# Altium PCB VALVEBOARD_Kun.PcbDoc (part 10 of 13)
Units mil, origin at the board's own origin, x right, y up, seen from the top; angles counter-clockwise.
Board outline 10923.41 x 5583.88 mil, 2 copper layers (Top Layer, Bottom Layer), stack 10.8 mil thick; 1127 components, 626 nets, 3503 pads, 1418 vias.
Unrouted connection lines stored in the file: 1.
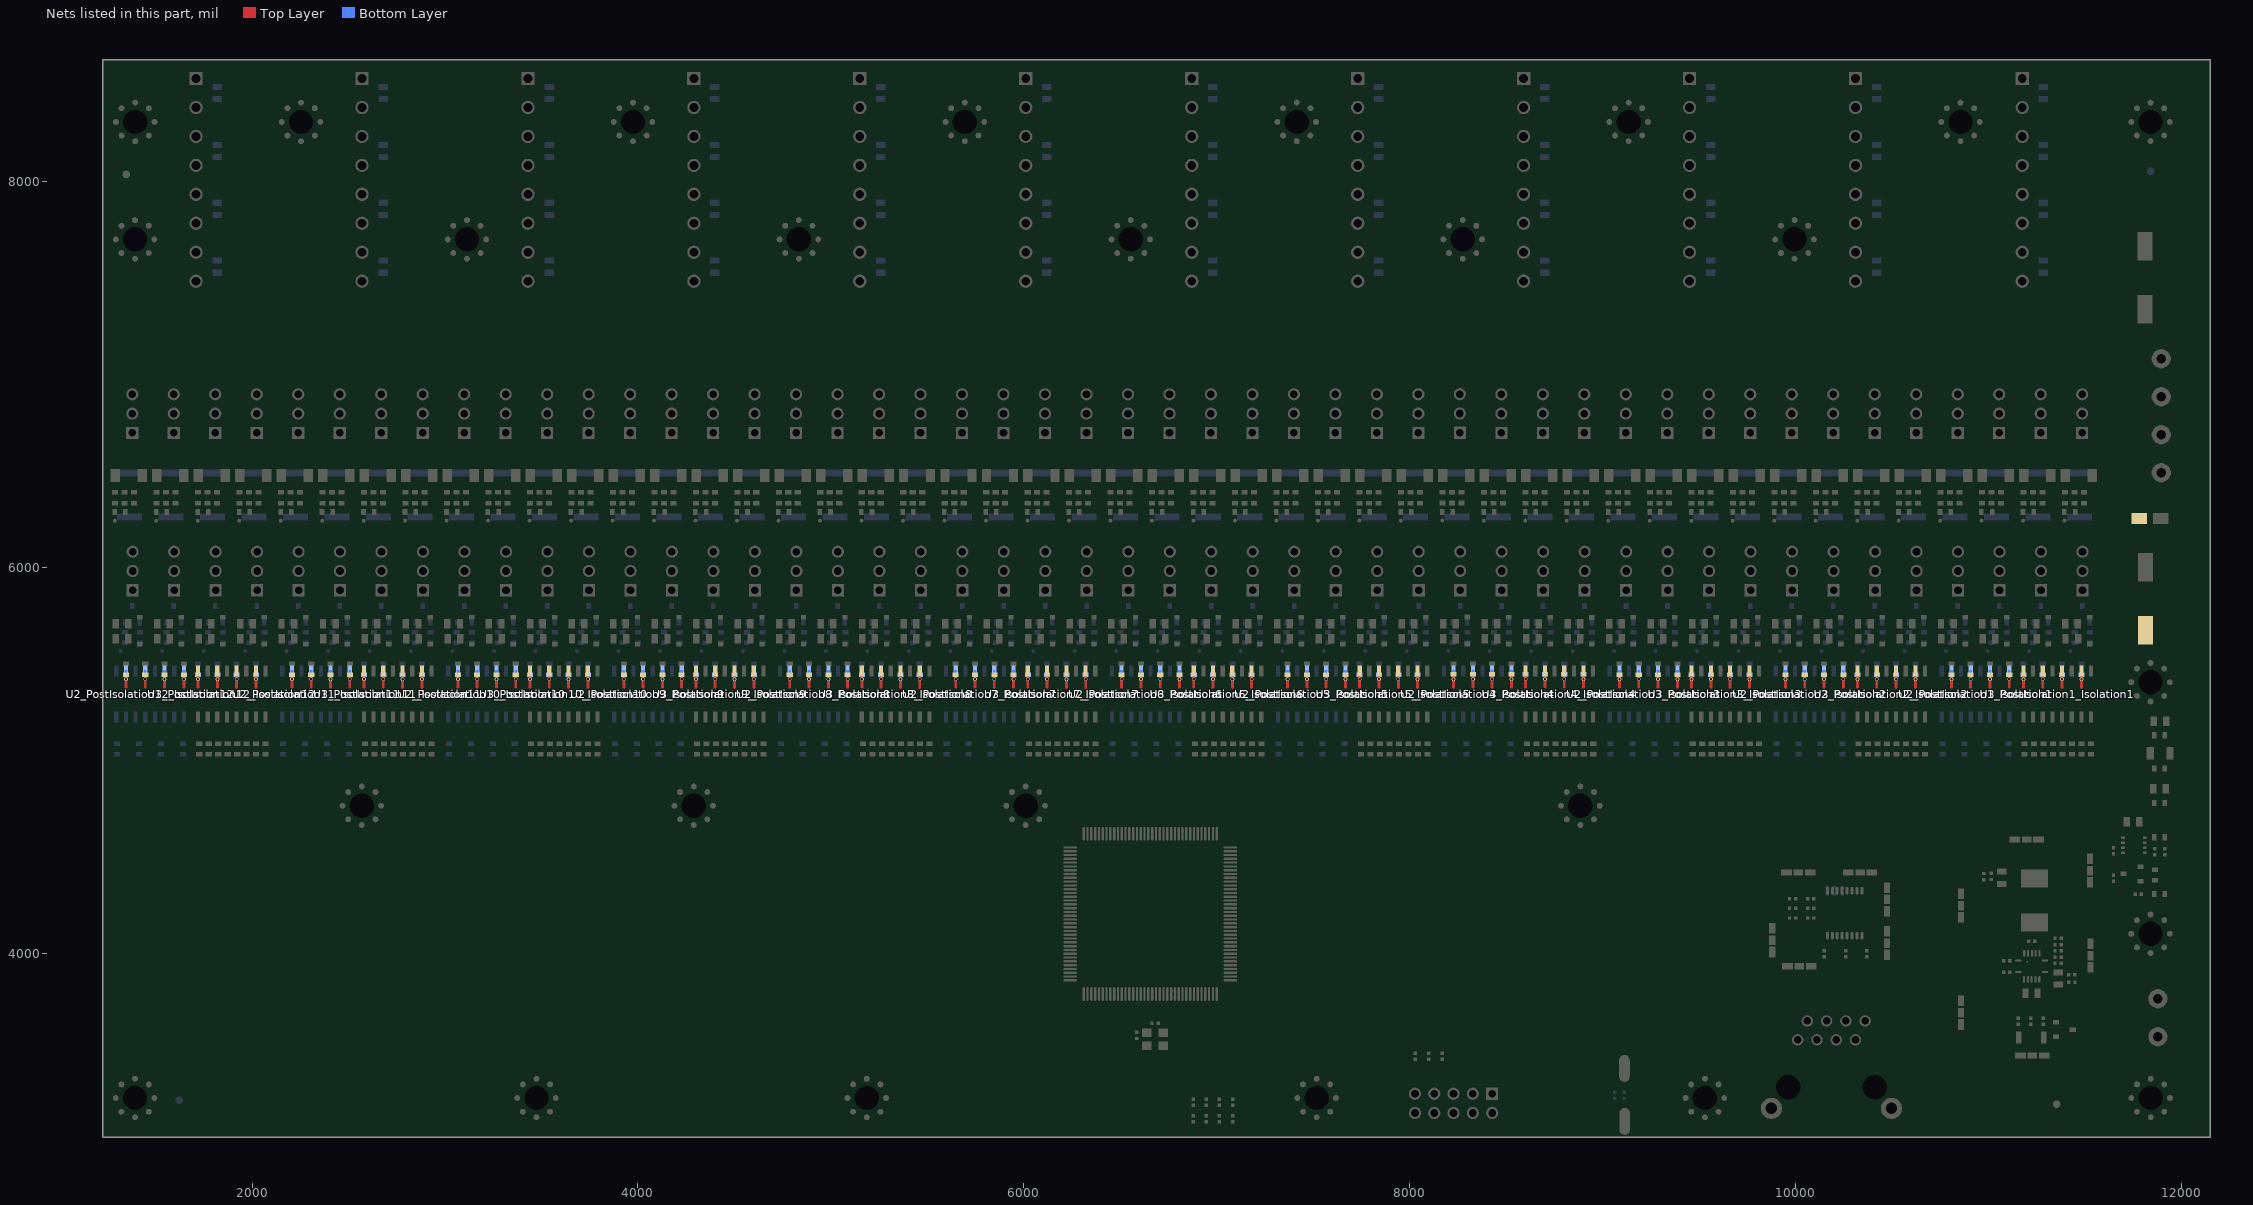
[diagram p10: the nets of this part, all layers, seen from the top]

## Via types
v1: diameter 19.68, hole 11.81, Top Layer to Bottom Layer, tented both sides, 1364 vias
v2: diameter 19.68, hole 11.81, Top Layer to Bottom Layer, 54 vias

## Nets (pads, with @x,y where several pads share a name; then routed paths per layer and width w, separated by ;. In a path a pad name is that pad's centre, name@x,y a point inside that pad or via, vN(x,y) a via of type N, cw(c..) or ccw(c..) an arc to the next point about the centre after c; other vN are vias at no path point) (continued)
P12: C15_PostIsolation1_Isolation1.2 C15_PostIsolation2_Isolation2.2 C15_PostIsolation3_Isolation3.2 C15_PostIsolation4_Isolation4.2 C15_PostIsolation5_Isolation5.2 C15_PostIsolation6_Isolation6.2 C15_PostIsolation7_Isolation7.2 C15_PostIsolation8_Isolation8.2 C15_PostIsolation9_Isolation9.2 C15_PostIsolation10_Isolation10.2 C15_PostIsolation11_Isolation11.2 C15_PostIsolation12_Isolation12.2 C16_PostIsolation1_Isolation1.2 C16_PostIsolation2_Isolation2.2 C16_PostIsolation3_Isolation3.2 C16_PostIsolation4_Isolation4.2 C16_PostIsolation5_Isolation5.2 C16_PostIsolation6_Isolation6.2 C16_PostIsolation7_Isolation7.2 C16_PostIsolation8_Isolation8.2 C16_PostIsolation9_Isolation9.2 C16_PostIsolation10_Isolation10.2 C16_PostIsolation11_Isolation11.2 C16_PostIsolation12_Isolation12.2 C17_PostIsolation1_Isolation1.2 C17_PostIsolation2_Isolation2.2 C17_PostIsolation3_Isolation3.2 C17_PostIsolation4_Isolation4.2 C17_PostIsolation5_Isolation5.2 C17_PostIsolation6_Isolation6.2 C17_PostIsolation7_Isolation7.2 C17_PostIsolation8_Isolation8.2 C17_PostIsolation9_Isolation9.2 C17_PostIsolation10_Isolation10.2 C17_PostIsolation11_Isolation11.2 C17_PostIsolation12_Isolation12.2 C18_PostIsolation1_Isolation1.2 C18_PostIsolation2_Isolation2.2 C18_PostIsolation3_Isolation3.2 C18_PostIsolation4_Isolation4.2 C18_PostIsolation5_Isolation5.2 C18_PostIsolation6_Isolation6.2 C18_PostIsolation7_Isolation7.2 C18_PostIsolation8_Isolation8.2 C18_PostIsolation9_Isolation9.2 C18_PostIsolation10_Isolation10.2 C18_PostIsolation11_Isolation11.2 C18_PostIsolation12_Isolation12.2 C19_PostIsolation1_Isolation1.2 C19_PostIsolation2_Isolation2.2 C19_PostIsolation3_Isolation3.2 C19_PostIsolation4_Isolation4.2 C19_PostIsolation5_Isolation5.2 C19_PostIsolation6_Isolation6.2 C19_PostIsolation7_Isolation7.2 C19_PostIsolation8_Isolation8.2 C19_PostIsolation9_Isolation9.2 C19_PostIsolation10_Isolation10.2 C19_PostIsolation11_Isolation11.2 C19_PostIsolation12_Isolation12.2 C20_PostIsolation1_Isolation1.2 C20_PostIsolation2_Isolation2.2 C20_PostIsolation3_Isolation3.2 C20_PostIsolation4_Isolation4.2 C20_PostIsolation5_Isolation5.2 C20_PostIsolation6_Isolation6.2 C20_PostIsolation7_Isolation7.2 C20_PostIsolation8_Isolation8.2 C20_PostIsolation9_Isolation9.2 C20_PostIsolation10_Isolation10.2 C20_PostIsolation11_Isolation11.2 C20_PostIsolation12_Isolation12.2 C21_PostIsolation1_Isolation1.2 C21_PostIsolation2_Isolation2.2 C21_PostIsolation3_Isolation3.2 C21_PostIsolation4_Isolation4.2 C21_PostIsolation5_Isolation5.2 C21_PostIsolation6_Isolation6.2 C21_PostIsolation7_Isolation7.2 C21_PostIsolation8_Isolation8.2 C21_PostIsolation9_Isolation9.2 C21_PostIsolation10_Isolation10.2 C21_PostIsolation11_Isolation11.2 C21_PostIsolation12_Isolation12.2 C22_PostIsolation1_Isolation1.2 C22_PostIsolation2_Isolation2.2 C22_PostIsolation3_Isolation3.2 C22_PostIsolation4_Isolation4.2 C22_PostIsolation5_Isolation5.2 C22_PostIsolation6_Isolation6.2 C22_PostIsolation7_Isolation7.2 C22_PostIsolation8_Isolation8.2 C22_PostIsolation9_Isolation9.2 C22_PostIsolation10_Isolation10.2 C22_PostIsolation11_Isolation11.2 C22_PostIsolation12_Isolation12.2 C29.1 D7.1 U2_PostIsolation1_Isolation1.10 U2_PostIsolation1_Isolation1.12 U2_PostIsolation1_Isolation1.14 U2_PostIsolation1_Isolation1.16 U2_PostIsolation2_Isolation2.10 U2_PostIsolation2_Isolation2.12 U2_PostIsolation2_Isolation2.14 U2_PostIsolation2_Isolation2.16 U2_PostIsolation3_Isolation3.10 U2_PostIsolation3_Isolation3.12 U2_PostIsolation3_Isolation3.14 U2_PostIsolation3_Isolation3.16 U2_PostIsolation4_Isolation4.10 U2_PostIsolation4_Isolation4.12 U2_PostIsolation4_Isolation4.14 U2_PostIsolation4_Isolation4.16 U2_PostIsolation5_Isolation5.10 U2_PostIsolation5_Isolation5.12 U2_PostIsolation5_Isolation5.14 U2_PostIsolation5_Isolation5.16 U2_PostIsolation6_Isolation6.10 U2_PostIsolation6_Isolation6.12 U2_PostIsolation6_Isolation6.14 U2_PostIsolation6_Isolation6.16 U2_PostIsolation7_Isolation7.10 U2_PostIsolation7_Isolation7.12 U2_PostIsolation7_Isolation7.14 U2_PostIsolation7_Isolation7.16 U2_PostIsolation8_Isolation8.10 U2_PostIsolation8_Isolation8.12 U2_PostIsolation8_Isolation8.14 U2_PostIsolation8_Isolation8.16 U2_PostIsolation9_Isolation9.10 U2_PostIsolation9_Isolation9.12 U2_PostIsolation9_Isolation9.14 U2_PostIsolation9_Isolation9.16 U2_PostIsolation10_Isolation10.10 U2_PostIsolation10_Isolation10.12 U2_PostIsolation10_Isolation10.14 U2_PostIsolation10_Isolation10.16 U2_PostIsolation11_Isolation11.10 U2_PostIsolation11_Isolation11.12 U2_PostIsolation11_Isolation11.14 U2_PostIsolation11_Isolation11.16 U2_PostIsolation12_Isolation12.10 U2_PostIsolation12_Isolation12.12 U2_PostIsolation12_Isolation12.14 U2_PostIsolation12_Isolation12.16 U3_PostIsolation1_Isolation1.10 U3_PostIsolation1_Isolation1.12 U3_PostIsolation1_Isolation1.14 U3_PostIsolation1_Isolation1.16 U3_PostIsolation2_Isolation2.10 U3_PostIsolation2_Isolation2.12 U3_PostIsolation2_Isolation2.14 U3_PostIsolation2_Isolation2.16 U3_PostIsolation3_Isolation3.10 U3_PostIsolation3_Isolation3.12 U3_PostIsolation3_Isolation3.14 U3_PostIsolation3_Isolation3.16 U3_PostIsolation4_Isolation4.10 U3_PostIsolation4_Isolation4.12 U3_PostIsolation4_Isolation4.14 U3_PostIsolation4_Isolation4.16 U3_PostIsolation5_Isolation5.10 U3_PostIsolation5_Isolation5.12 U3_PostIsolation5_Isolation5.14 U3_PostIsolation5_Isolation5.16 U3_PostIsolation6_Isolation6.10 U3_PostIsolation6_Isolation6.12 U3_PostIsolation6_Isolation6.14 U3_PostIsolation6_Isolation6.16 U3_PostIsolation7_Isolation7.10 U3_PostIsolation7_Isolation7.12 U3_PostIsolation7_Isolation7.14 U3_PostIsolation7_Isolation7.16 U3_PostIsolation8_Isolation8.10 U3_PostIsolation8_Isolation8.12 U3_PostIsolation8_Isolation8.14 U3_PostIsolation8_Isolation8.16 U3_PostIsolation9_Isolation9.10 U3_PostIsolation9_Isolation9.12 U3_PostIsolation9_Isolation9.14 U3_PostIsolation9_Isolation9.16 U3_PostIsolation10_Isolation10.10 U3_PostIsolation10_Isolation10.12 U3_PostIsolation10_Isolation10.14 U3_PostIsolation10_Isolation10.16 U3_PostIsolation11_Isolation11.10 U3_PostIsolation11_Isolation11.12 U3_PostIsolation11_Isolation11.14 U3_PostIsolation11_Isolation11.16 U3_PostIsolation12_Isolation12.10 U3_PostIsolation12_Isolation12.12 U3_PostIsolation12_Isolation12.14 U3_PostIsolation12_Isolation12.16 | length 10352.2
  Top Layer w15: 1346.49,5379.39 v1@1346.49,5421.03 ; v1(1346.63,5420.89) C17_PostIsolation12_Isolation12.2@1346.63,5445.31 ; 1446.49,5379.39 v1@1446.49,5421.03 ; v1(1446.63,5420.89) C18_PostIsolation12_Isolation12.2@1446.63,5445.31 ; 1546.49,5379.39 v1@1546.49,5421.03 ; v1(1546.63,5420.89) C15_PostIsolation12_Isolation12.2@1546.63,5445.31 ; 1646.49,5379.39 v1@1646.49,5421.03 ; C16_PostIsolation12_Isolation12.2@1646.51,5445.44 1646.63,5445.31 v1(1646.63,5420.89) ; U3_PostIsolation12_Isolation12.16@1720,5462.63 1720,5421.18 v1(1720.3,5420.89) ; 1720.15,5379.39 v1@1720.15,5421.03 ; 1820,5379.54 v1@1820,5421.18 ; U3_PostIsolation12_Isolation12.14@1820,5462.63 v1@1820,5421.18 ; v1(1820.3,5420.89) v1@1820,5421.18 ; U3_PostIsolation12_Isolation12.12@1920,5462.63 1920,5421.18 v1(1920.3,5420.89) 1920.3,5379.25 ; U3_PostIsolation12_Isolation12.10@2020,5462.63 2020,5421.18 v1(2020.3,5420.89) 2020.3,5379.25 ; 2206.55,5379.39 v1@2206.55,5421.03 ; v1(2206.69,5420.89) C17_PostIsolation11_Isolation11.2@2206.69,5445.31 ; 2306.55,5379.39 v1@2306.55,5421.03 ; v1(2306.69,5420.89) C18_PostIsolation11_Isolation11.2@2306.69,5445.31 ; 2406.55,5379.39 v1@2406.55,5421.03 ; v1(2406.69,5420.89) C15_PostIsolation11_Isolation11.2@2406.69,5445.31 ; 2506.55,5379.39 v1@2506.55,5421.03 ; C16_PostIsolation11_Isolation11.2@2506.57,5445.44 2506.69,5445.31 v1(2506.69,5420.89) ; U3_PostIsolation11_Isolation11.16@2580.07,5462.63 2580.07,5421.18 v1(2580.36,5420.89) ; 2580.21,5379.39 v1@2580.21,5421.03 ; 2680.07,5379.54 v1@2680.07,5421.18 ; U3_PostIsolation11_Isolation11.14@2680.07,5462.63 v1@2680.07,5421.18 ; v1(2680.36,5420.89) v1@2680.07,5421.18 ; U3_PostIsolation11_Isolation11.12@2780.07,5462.63 2780.07,5421.18 v1(2780.36,5420.89) 2780.36,5379.25 ; U3_PostIsolation11_Isolation11.10@2880.07,5462.63 2880.07,5421.18 v1(2880.36,5420.89) 2880.36,5379.25 ; 3066.61,5379.39 v1@3066.61,5421.03 ; v1(3066.75,5420.88) C17_PostIsolation10_Isolation10.2@3066.75,5445.31 ; 3166.61,5379.39 v1@3166.61,5421.03 ; v1(3166.75,5420.88) C18_PostIsolation10_Isolation10.2@3166.75,5445.31 ; 3266.61,5379.39 v1@3266.61,5421.03 ; v1(3266.75,5420.88) C15_PostIsolation10_Isolation10.2@3266.75,5445.31 ; 3366.61,5379.39 v1@3366.61,5421.03 ; C16_PostIsolation10_Isolation10.2@3366.63,5445.43 3366.75,5445.31 v1(3366.75,5420.88) ; U3_PostIsolation10_Isolation10.16@3440.13,5462.63 3440.13,5421.18 v1(3440.42,5420.88) ; 3440.27,5379.39 v1@3440.27,5421.03 ; 3540.13,5379.54 v1@3540.13,5421.18 ; U3_PostIsolation10_Isolation10.14@3540.13,5462.63 v1@3540.13,5421.18 ; v1(3540.42,5420.88) v1@3540.13,5421.18 ; U3_PostIsolation10_Isolation10.12@3640.13,5462.63 3640.13,5421.18 v1(3640.42,5420.88) 3640.42,5379.24 ; U3_PostIsolation10_Isolation10.10@3740.13,5462.63 3740.13,5421.18 v1(3740.42,5420.88) 3740.42,5379.24 ; 3926.67,5379.39 v1@3926.67,5421.03 ; v1(3926.82,5420.88) C17_PostIsolation9_Isolation9.2@3926.82,5445.31 ; 4026.67,5379.39 v1@4026.67,5421.03 ; v1(4026.82,5420.88) C18_PostIsolation9_Isolation9.2@4026.82,5445.31 ; 4126.67,5379.39 v1@4126.67,5421.03 ; v1(4126.82,5420.88) C15_PostIsolation9_Isolation9.2@4126.82,5445.31 ; 4226.67,5379.39 v1@4226.67,5421.03 ; C16_PostIsolation9_Isolation9.2@4226.69,5445.43 4226.82,5445.31 v1(4226.82,5420.88) ; U3_PostIsolation9_Isolation9.16@4300.19,5462.63 4300.19,5421.18 v1(4300.48,5420.88) ; 4300.33,5379.39 v1@4300.33,5421.03 ; 4400.19,5379.54 v1@4400.19,5421.18 ; U3_PostIsolation9_Isolation9.14@4400.19,5462.63 v1@4400.19,5421.18 ; v1(4400.48,5420.88) v1@4400.19,5421.18 ; U3_PostIsolation9_Isolation9.12@4500.19,5462.63 4500.19,5421.18 v1(4500.48,5420.88) 4500.48,5379.24 ; U3_PostIsolation9_Isolation9.10@4600.19,5462.63 4600.19,5421.18 v1(4600.48,5420.88) 4600.48,5379.24 ; 4786.73,5379.39 v1@4786.73,5421.03 ; v1(4786.88,5420.89) C17_PostIsolation8_Isolation8.2@4786.88,5445.31 ; 4886.73,5379.39 v1@4886.73,5421.03 ; v1(4886.88,5420.89) C18_PostIsolation8_Isolation8.2@4886.88,5445.31 ; 4986.73,5379.39 v1@4986.73,5421.03 ; v1(4986.88,5420.89) C15_PostIsolation8_Isolation8.2@4986.88,5445.31 ; 5086.73,5379.39 v1@5086.73,5421.03 ; C16_PostIsolation8_Isolation8.2@5086.75,5445.43 5086.88,5445.31 v1(5086.88,5420.89) ; U3_PostIsolation8_Isolation8.16@5160.25,5462.63 5160.25,5421.18 v1(5160.54,5420.89) ; 5160.4,5379.39 v1@5160.4,5421.03 ; 5260.25,5379.54 v1@5260.25,5421.18 ; U3_PostIsolation8_Isolation8.14@5260.25,5462.63 v1@5260.25,5421.18 ; v1(5260.54,5420.89) v1@5260.25,5421.18 ; U3_PostIsolation8_Isolation8.12@5360.25,5462.63 5360.25,5421.18 v1(5360.54,5420.89) 5360.54,5379.25 ; U3_PostIsolation8_Isolation8.10@5460.25,5462.63 5460.25,5421.18 v1(5460.54,5420.89) 5460.54,5379.25 ; 5646.79,5379.39 v1@5646.79,5421.03 ; v1(5646.94,5420.89) C17_PostIsolation7_Isolation7.2@5646.94,5445.31 ; 5746.79,5379.39 v1@5746.79,5421.03 ; v1(5746.94,5420.89) C18_PostIsolation7_Isolation7.2@5746.94,5445.31 ; 5846.79,5379.39 v1@5846.79,5421.03 ; v1(5846.94,5420.89) C15_PostIsolation7_Isolation7.2@5846.94,5445.31 ; 5946.79,5379.39 v1@5946.79,5421.03 ; C16_PostIsolation7_Isolation7.2@5946.81,5445.43 5946.94,5445.31 v1(5946.94,5420.89) ; U3_PostIsolation7_Isolation7.16@6020.31,5462.63 6020.31,5421.18 v1(6020.6,5420.89) ; 6020.46,5379.39 v1@6020.46,5421.03 ; 6120.31,5379.54 v1@6120.31,5421.18 ; U3_PostIsolation7_Isolation7.14@6120.31,5462.63 v1@6120.31,5421.18 ; v1(6120.6,5420.89) v1@6120.31,5421.18 ; U3_PostIsolation7_Isolation7.12@6220.31,5462.63 6220.31,5421.18 v1(6220.6,5420.89) 6220.6,5379.25 ; U3_PostIsolation7_Isolation7.10@6320.31,5462.63 6320.31,5421.18 v1(6320.6,5420.89) 6320.6,5379.25 ; 6506.85,5379.39 v1@6506.85,5421.03 ; v1(6507,5420.89) C17_PostIsolation6_Isolation6.2@6507,5445.31 ; 6606.85,5379.39 v1@6606.85,5421.03 ; v1(6607,5420.89) C18_PostIsolation6_Isolation6.2@6607,5445.31 ; 6706.85,5379.39 v1@6706.85,5421.03 ; v1(6707,5420.89) C15_PostIsolation6_Isolation6.2@6707,5445.31 ; 6806.85,5379.39 v1@6806.85,5421.03 ; C16_PostIsolation6_Isolation6.2@6806.87,5445.43 6807,5445.31 v1(6807,5420.89) ; U3_PostIsolation6_Isolation6.16@6880.37,5462.63 6880.37,5421.18 v1(6880.66,5420.89) ; 6880.52,5379.39 v1@6880.52,5421.03 ; 6980.37,5379.54 v1@6980.37,5421.18 ; U3_PostIsolation6_Isolation6.14@6980.37,5462.63 v1@6980.37,5421.18 ; v1(6980.66,5420.89) v1@6980.37,5421.18 ; U3_PostIsolation6_Isolation6.12@7080.37,5462.63 7080.37,5421.18 v1(7080.66,5420.89) 7080.66,5379.25 ; U3_PostIsolation6_Isolation6.10@7180.37,5462.63 7180.37,5421.18 v1(7180.66,5420.89) 7180.66,5379.25 ; 7366.91,5379.39 v1@7366.91,5421.03 ; v1(7367.06,5420.89) C17_PostIsolation5_Isolation5.2@7367.06,5445.31 ; 7466.91,5379.39 v1@7466.91,5421.03 ; v1(7467.06,5420.89) C18_PostIsolation5_Isolation5.2@7467.06,5445.31 ; 7566.91,5379.39 v1@7566.91,5421.03 ; v1(7567.06,5420.89) C15_PostIsolation5_Isolation5.2@7567.06,5445.31 ; 7666.91,5379.39 v1@7666.91,5421.03 ; C16_PostIsolation5_Isolation5.2@7666.93,5445.43 7667.06,5445.31 v1(7667.06,5420.89) ; U3_PostIsolation5_Isolation5.16@7740.43,5462.63 7740.43,5421.18 v1(7740.73,5420.89) ; 7740.58,5379.39 v1@7740.58,5421.03 ; 7840.43,5379.54 v1@7840.43,5421.18 ; U3_PostIsolation5_Isolation5.14@7840.43,5462.63 v1@7840.43,5421.18 ; v1(7840.73,5420.89) v1@7840.43,5421.18 ; U3_PostIsolation5_Isolation5.12@7940.43,5462.63 7940.43,5421.18 v1(7940.73,5420.89) 7940.73,5379.25 ; U3_PostIsolation5_Isolation5.10@8040.43,5462.63 8040.43,5421.18 v1(8040.73,5420.89) 8040.73,5379.25 ; 8226.97,5379.84 v1@8226.97,5421.48 ; v1(8227.12,5421.33) C17_PostIsolation4_Isolation4.2@8227.12,5445.75 ; 8326.97,5379.84 v1@8326.97,5421.48 ; v1(8327.12,5421.33) C18_PostIsolation4_Isolation4.2@8327.12,5445.75 ; 8426.97,5379.84 v1@8426.97,5421.48 ; v1(8427.12,5421.33) C15_PostIsolation4_Isolation4.2@8427.12,5445.75 ; 8526.97,5379.84 v1@8526.97,5421.48 ; C16_PostIsolation4_Isolation4.2@8526.99,5445.88 8527.12,5445.75 v1(8527.12,5421.33) ; U3_PostIsolation4_Isolation4.16@8600.49,5463.08 8600.49,5421.63 v1(8600.79,5421.33) ; 8600.64,5379.84 v1@8600.64,5421.48 ; 8700.49,5379.99 v1@8700.49,5421.63 ; U3_PostIsolation4_Isolation4.14@8700.49,5463.08 v1@8700.49,5421.63 ; v1(8700.79,5421.33) v1@8700.49,5421.63 ; U3_PostIsolation4_Isolation4.12@8800.49,5463.08 8800.49,5421.63 v1(8800.79,5421.33) 8800.79,5379.69 ; U3_PostIsolation4_Isolation4.10@8900.49,5463.08 8900.49,5421.63 v1(8900.79,5421.33) 8900.79,5379.69 ; 9086.98,5379.41 v1@9086.98,5421.05 ; v1(9087.13,5420.9) C17_PostIsolation3_Isolation3.2@9087.13,5445.33 ; 9186.98,5379.41 v1@9186.98,5421.05 ; v1(9187.13,5420.9) C18_PostIsolation3_Isolation3.2@9187.13,5445.33 ; 9286.98,5379.41 v1@9286.98,5421.05 ; v1(9287.13,5420.9) C15_PostIsolation3_Isolation3.2@9287.13,5445.33 ; 9386.98,5379.41 v1@9386.98,5421.05 ; C16_PostIsolation3_Isolation3.2@9387,5445.45 9387.13,5445.33 v1(9387.13,5420.9) ; U3_PostIsolation3_Isolation3.16@9460.5,5462.65 9460.5,5421.2 v1(9460.79,5420.9) ; 9460.64,5379.41 v1@9460.64,5421.05 ; 9560.5,5379.56 v1@9560.5,5421.2 ; U3_PostIsolation3_Isolation3.14@9560.5,5462.65 v1@9560.5,5421.2 ; v1(9560.79,5420.9) v1@9560.5,5421.2 ; U3_PostIsolation3_Isolation3.12@9660.5,5462.65 9660.5,5421.2 v1(9660.79,5420.9) 9660.79,5379.27 ; U3_PostIsolation3_Isolation3.10@9760.5,5462.65 9760.5,5421.2 v1(9760.79,5420.9) 9760.79,5379.27 ; 9947.04,5379.41 v1@9947.04,5421.05 ; v1(9947.19,5420.9) C17_PostIsolation2_Isolation2.2@9947.19,5445.33 ; 10047.04,5379.41 v1@10047.04,5421.05 ; v1(10047.19,5420.9) C18_PostIsolation2_Isolation2.2@10047.19,5445.33 ; 10147.04,5379.41 v1@10147.04,5421.05 ; v1(10147.19,5420.9) C15_PostIsolation2_Isolation2.2@10147.19,5445.33 ; 10247.04,5379.41 v1@10247.04,5421.05 ; C16_PostIsolation2_Isolation2.2@10247.06,5445.45 10247.19,5445.33 v1(10247.19,5420.9) ; U3_PostIsolation2_Isolation2.16@10320.56,5462.65 10320.56,5421.2 v1(10320.85,5420.9) ; 10320.71,5379.41 v1@10320.71,5421.05 ; 10420.56,5379.56 v1@10420.56,5421.2 ; U3_PostIsolation2_Isolation2.14@10420.56,5462.65 v1@10420.56,5421.2 ; v1(10420.85,5420.9) v1@10420.56,5421.2 ; U3_PostIsolation2_Isolation2.12@10520.56,5462.65 10520.56,5421.2 v1(10520.85,5420.9) 10520.85,5379.27 ; U3_PostIsolation2_Isolation2.10@10620.56,5462.65 10620.56,5421.2 v1(10620.85,5420.9) 10620.85,5379.27 ; 10807.16,5379.39 v1@10807.16,5421.03 ; v1(10807.31,5420.89) C17_PostIsolation1_Isolation1.2@10807.31,5445.31 ; 10907.16,5379.39 v1@10907.16,5421.03 ; v1(10907.31,5420.89) C18_PostIsolation1_Isolation1.2@10907.31,5445.31 ; 11007.16,5379.39 v1@11007.16,5421.03 ; v1(11007.31,5420.89) C15_PostIsolation1_Isolation1.2@11007.31,5445.31 ; 11107.16,5379.39 v1@11107.16,5421.03 ; C16_PostIsolation1_Isolation1.2@11107.18,5445.43 11107.31,5445.31 v1(11107.31,5420.89) ; U3_PostIsolation1_Isolation1.16@11180.68,5462.63 11180.68,5421.18 v1(11180.98,5420.89) ; 11180.83,5379.39 v1@11180.83,5421.03 ; 11280.68,5379.54 v1@11280.68,5421.18 ; U3_PostIsolation1_Isolation1.14@11280.68,5462.63 v1@11280.68,5421.18 ; v1(11280.98,5420.89) v1@11280.68,5421.18 ; U3_PostIsolation1_Isolation1.12@11380.68,5462.63 11380.68,5421.18 v1(11380.98,5420.89) 11380.98,5379.25 ; U3_PostIsolation1_Isolation1.10@11480.68,5462.63 11480.68,5421.18 v1(11480.98,5420.89) 11480.98,5379.25
  Bottom Layer w15: v1@1346.34,5421.18 U2_PostIsolation12_Isolation12.10@1346.34,5462.63 ; v1@1446.34,5421.18 U2_PostIsolation12_Isolation12.12@1446.34,5462.63 ; v1@1546.34,5421.18 U2_PostIsolation12_Isolation12.14@1546.34,5462.63 ; v1@1646.34,5421.18 U2_PostIsolation12_Isolation12.16@1646.34,5462.63 ; C20_PostIsolation12_Isolation12.2@1720.17,5445.44 1720.17,5421.01 v1(1720.3,5420.89) ; C19_PostIsolation12_Isolation12.2@1820.17,5445.44 1820.17,5421.01 v1(1820.3,5420.89) ; C22_PostIsolation12_Isolation12.2@1920.17,5445.44 1920.17,5421.01 v1(1920.3,5420.89) ; C21_PostIsolation12_Isolation12.2@2020.17,5445.44 2020.17,5421.01 v1(2020.3,5420.89) ; v1@2206.4,5421.18 U2_PostIsolation11_Isolation11.10@2206.4,5462.63 ; v1@2306.4,5421.18 U2_PostIsolation11_Isolation11.12@2306.4,5462.63 ; v1@2406.4,5421.18 U2_PostIsolation11_Isolation11.14@2406.4,5462.63 ; v1@2506.4,5421.18 U2_PostIsolation11_Isolation11.16@2506.4,5462.63 ; C20_PostIsolation11_Isolation11.2@2580.23,5445.44 2580.23,5421.01 v1(2580.36,5420.89) ; C19_PostIsolation11_Isolation11.2@2680.23,5445.44 2680.23,5421.01 v1(2680.36,5420.89) ; C22_PostIsolation11_Isolation11.2@2780.23,5445.44 2780.23,5421.01 v1(2780.36,5420.89) ; C21_PostIsolation11_Isolation11.2@2880.23,5445.44 2880.23,5421.01 v1(2880.36,5420.89) ; v1@3066.46,5421.18 U2_PostIsolation10_Isolation10.10@3066.46,5462.63 ; v1@3166.46,5421.18 U2_PostIsolation10_Isolation10.12@3166.46,5462.63 ; v1@3266.46,5421.18 U2_PostIsolation10_Isolation10.14@3266.46,5462.63 ; v1@3366.46,5421.18 U2_PostIsolation10_Isolation10.16@3366.46,5462.63 ; C20_PostIsolation10_Isolation10.2@3440.3,5445.43 3440.3,5421.01 v1(3440.42,5420.88) ; C19_PostIsolation10_Isolation10.2@3540.3,5445.43 3540.3,5421.01 v1(3540.42,5420.88) ; C22_PostIsolation10_Isolation10.2@3640.3,5445.43 3640.3,5421.01 v1(3640.42,5420.88) ; C21_PostIsolation10_Isolation10.2@3740.3,5445.43 3740.3,5421.01 v1(3740.42,5420.88) ; v1@3926.52,5421.18 U2_PostIsolation9_Isolation9.10@3926.52,5462.63 ; v1@4026.52,5421.18 U2_PostIsolation9_Isolation9.12@4026.52,5462.63 ; v1@4126.52,5421.18 U2_PostIsolation9_Isolation9.14@4126.52,5462.63 ; v1@4226.52,5421.18 U2_PostIsolation9_Isolation9.16@4226.52,5462.63 ; C20_PostIsolation9_Isolation9.2@4300.36,5445.43 4300.36,5421.01 v1(4300.48,5420.88) ; C19_PostIsolation9_Isolation9.2@4400.36,5445.43 4400.36,5421.01 v1(4400.48,5420.88) ; C22_PostIsolation9_Isolation9.2@4500.36,5445.43 4500.36,5421.01 v1(4500.48,5420.88) ; C21_PostIsolation9_Isolation9.2@4600.36,5445.43 4600.36,5421.01 v1(4600.48,5420.88) ; v1@4786.58,5421.18 U2_PostIsolation8_Isolation8.10@4786.58,5462.63 ; v1@4886.58,5421.18 U2_PostIsolation8_Isolation8.12@4886.58,5462.63 ; v1@4986.58,5421.18 U2_PostIsolation8_Isolation8.14@4986.58,5462.63 ; v1@5086.58,5421.18 U2_PostIsolation8_Isolation8.16@5086.58,5462.63 ; C20_PostIsolation8_Isolation8.2@5160.42,5445.43 5160.42,5421.01 v1(5160.54,5420.89) ; C19_PostIsolation8_Isolation8.2@5260.42,5445.43 5260.42,5421.01 v1(5260.54,5420.89) ; C22_PostIsolation8_Isolation8.2@5360.42,5445.43 5360.42,5421.01 v1(5360.54,5420.89) ; C21_PostIsolation8_Isolation8.2@5460.42,5445.43 5460.42,5421.01 v1(5460.54,5420.89) ; v1@5646.64,5421.18 U2_PostIsolation7_Isolation7.10@5646.64,5462.63 ; v1@5746.64,5421.18 U2_PostIsolation7_Isolation7.12@5746.64,5462.63 ; v1@5846.64,5421.18 U2_PostIsolation7_Isolation7.14@5846.64,5462.63 ; v1@5946.64,5421.18 U2_PostIsolation7_Isolation7.16@5946.64,5462.63 ; C20_PostIsolation7_Isolation7.2@6020.48,5445.43 6020.48,5421.01 v1(6020.6,5420.89) ; C19_PostIsolation7_Isolation7.2@6120.48,5445.43 6120.48,5421.01 v1(6120.6,5420.89) ; C22_PostIsolation7_Isolation7.2@6220.48,5445.43 6220.48,5421.01 v1(6220.6,5420.89) ; C21_PostIsolation7_Isolation7.2@6320.48,5445.43 6320.48,5421.01 v1(6320.6,5420.89) ; v1@6506.7,5421.18 U2_PostIsolation6_Isolation6.10@6506.7,5462.63 ; v1@6606.7,5421.18 U2_PostIsolation6_Isolation6.12@6606.7,5462.63 ; v1@6706.7,5421.18 U2_PostIsolation6_Isolation6.14@6706.7,5462.63 ; v1@6806.7,5421.18 U2_PostIsolation6_Isolation6.16@6806.7,5462.63 ; C20_PostIsolation6_Isolation6.2@6880.54,5445.43 6880.54,5421.01 v1(6880.66,5420.89) ; C19_PostIsolation6_Isolation6.2@6980.54,5445.43 6980.54,5421.01 v1(6980.66,5420.89) ; C22_PostIsolation6_Isolation6.2@7080.54,5445.43 7080.54,5421.01 v1(7080.66,5420.89) ; C21_PostIsolation6_Isolation6.2@7180.54,5445.43 7180.54,5421.01 v1(7180.66,5420.89) ; v1@7366.76,5421.18 U2_PostIsolation5_Isolation5.10@7366.76,5462.63 ; v1@7466.76,5421.18 U2_PostIsolation5_Isolation5.12@7466.76,5462.63 ; v1@7566.76,5421.18 U2_PostIsolation5_Isolation5.14@7566.76,5462.63 ; v1@7666.76,5421.18 U2_PostIsolation5_Isolation5.16@7666.76,5462.63 ; C20_PostIsolation5_Isolation5.2@7740.6,5445.43 7740.6,5421.01 v1(7740.73,5420.89) ; C19_PostIsolation5_Isolation5.2@7840.6,5445.43 7840.6,5421.01 v1(7840.73,5420.89) ; C22_PostIsolation5_Isolation5.2@7940.6,5445.43 7940.6,5421.01 v1(7940.73,5420.89) ; C21_PostIsolation5_Isolation5.2@8040.6,5445.43 8040.6,5421.01 v1(8040.73,5420.89) ; v1@8226.82,5421.63 U2_PostIsolation4_Isolation4.10@8226.82,5463.08 ; v1@8326.82,5421.63 U2_PostIsolation4_Isolation4.12@8326.82,5463.08 ; v1@8426.82,5421.63 U2_PostIsolation4_Isolation4.14@8426.82,5463.08 ; v1@8526.82,5421.63 U2_PostIsolation4_Isolation4.16@8526.82,5463.08 ; C20_PostIsolation4_Isolation4.2@8600.66,5445.88 8600.66,5421.46 v1(8600.79,5421.33) ; C19_PostIsolation4_Isolation4.2@8700.66,5445.88 8700.66,5421.46 v1(8700.79,5421.33) ; C22_PostIsolation4_Isolation4.2@8800.66,5445.88 8800.66,5421.46 v1(8800.79,5421.33) ; C21_PostIsolation4_Isolation4.2@8900.66,5445.88 8900.66,5421.46 v1(8900.79,5421.33) ; v1@9086.83,5421.2 U2_PostIsolation3_Isolation3.10@9086.83,5462.65 ; v1@9186.83,5421.2 U2_PostIsolation3_Isolation3.12@9186.83,5462.65 ; v1@9286.83,5421.2 U2_PostIsolation3_Isolation3.14@9286.83,5462.65 ; v1@9386.83,5421.2 U2_PostIsolation3_Isolation3.16@9386.83,5462.65 ; C20_PostIsolation3_Isolation3.2@9460.67,5445.45 9460.67,5421.03 v1(9460.79,5420.9) ; C19_PostIsolation3_Isolation3.2@9560.67,5445.45 9560.67,5421.03 v1(9560.79,5420.9) ; C22_PostIsolation3_Isolation3.2@9660.67,5445.45 9660.67,5421.03 v1(9660.79,5420.9) ; C21_PostIsolation3_Isolation3.2@9760.67,5445.45 9760.67,5421.03 v1(9760.79,5420.9) ; v1@9946.89,5421.2 U2_PostIsolation2_Isolation2.10@9946.89,5462.65 ; v1@10046.89,5421.2 U2_PostIsolation2_Isolation2.12@10046.89,5462.65 ; v1@10146.89,5421.2 U2_PostIsolation2_Isolation2.14@10146.89,5462.65 ; v1@10246.89,5421.2 U2_PostIsolation2_Isolation2.16@10246.89,5462.65 ; C20_PostIsolation2_Isolation2.2@10320.73,5445.45 10320.73,5421.03 v1(10320.85,5420.9) ; C19_PostIsolation2_Isolation2.2@10420.73,5445.45 10420.73,5421.03 v1(10420.85,5420.9) ; C22_PostIsolation2_Isolation2.2@10520.73,5445.45 10520.73,5421.03 v1(10520.85,5420.9) ; C21_PostIsolation2_Isolation2.2@10620.73,5445.45 10620.73,5421.03 v1(10620.85,5420.9) ; v1@10807.01,5421.18 U2_PostIsolation1_Isolation1.10@10807.01,5462.63 ; v1@10907.01,5421.18 U2_PostIsolation1_Isolation1.12@10907.01,5462.63 ; v1@11007.01,5421.18 U2_PostIsolation1_Isolation1.14@11007.01,5462.63 ; v1@11107.01,5421.18 U2_PostIsolation1_Isolation1.16@11107.01,5462.63 ; C20_PostIsolation1_Isolation1.2@11180.85,5445.43 11180.85,5421.01 v1(11180.98,5420.89) ; C19_PostIsolation1_Isolation1.2@11280.85,5445.43 11280.85,5421.01 v1(11280.98,5420.89) ; C22_PostIsolation1_Isolation1.2@11380.85,5445.43 11380.85,5421.01 v1(11380.98,5420.89) ; C21_PostIsolation1_Isolation1.2@11480.85,5445.43 11480.85,5421.01 v1(11480.98,5420.89)